# Altium PCB balenaFin_v1_x_x.PcbDoc (part 1 of 7)
Units mm, origin at the board's own origin, x right, y up, seen from the top; angles counter-clockwise.
Board outline 90.03 x 90.03 mm, 8 copper layers (TOP, GND, INT1, INT2, INT3, INT4, POWER, BOTTOM), stack 1.496 mm thick; 502 components, 409 nets, 2324 pads, 1048 vias.
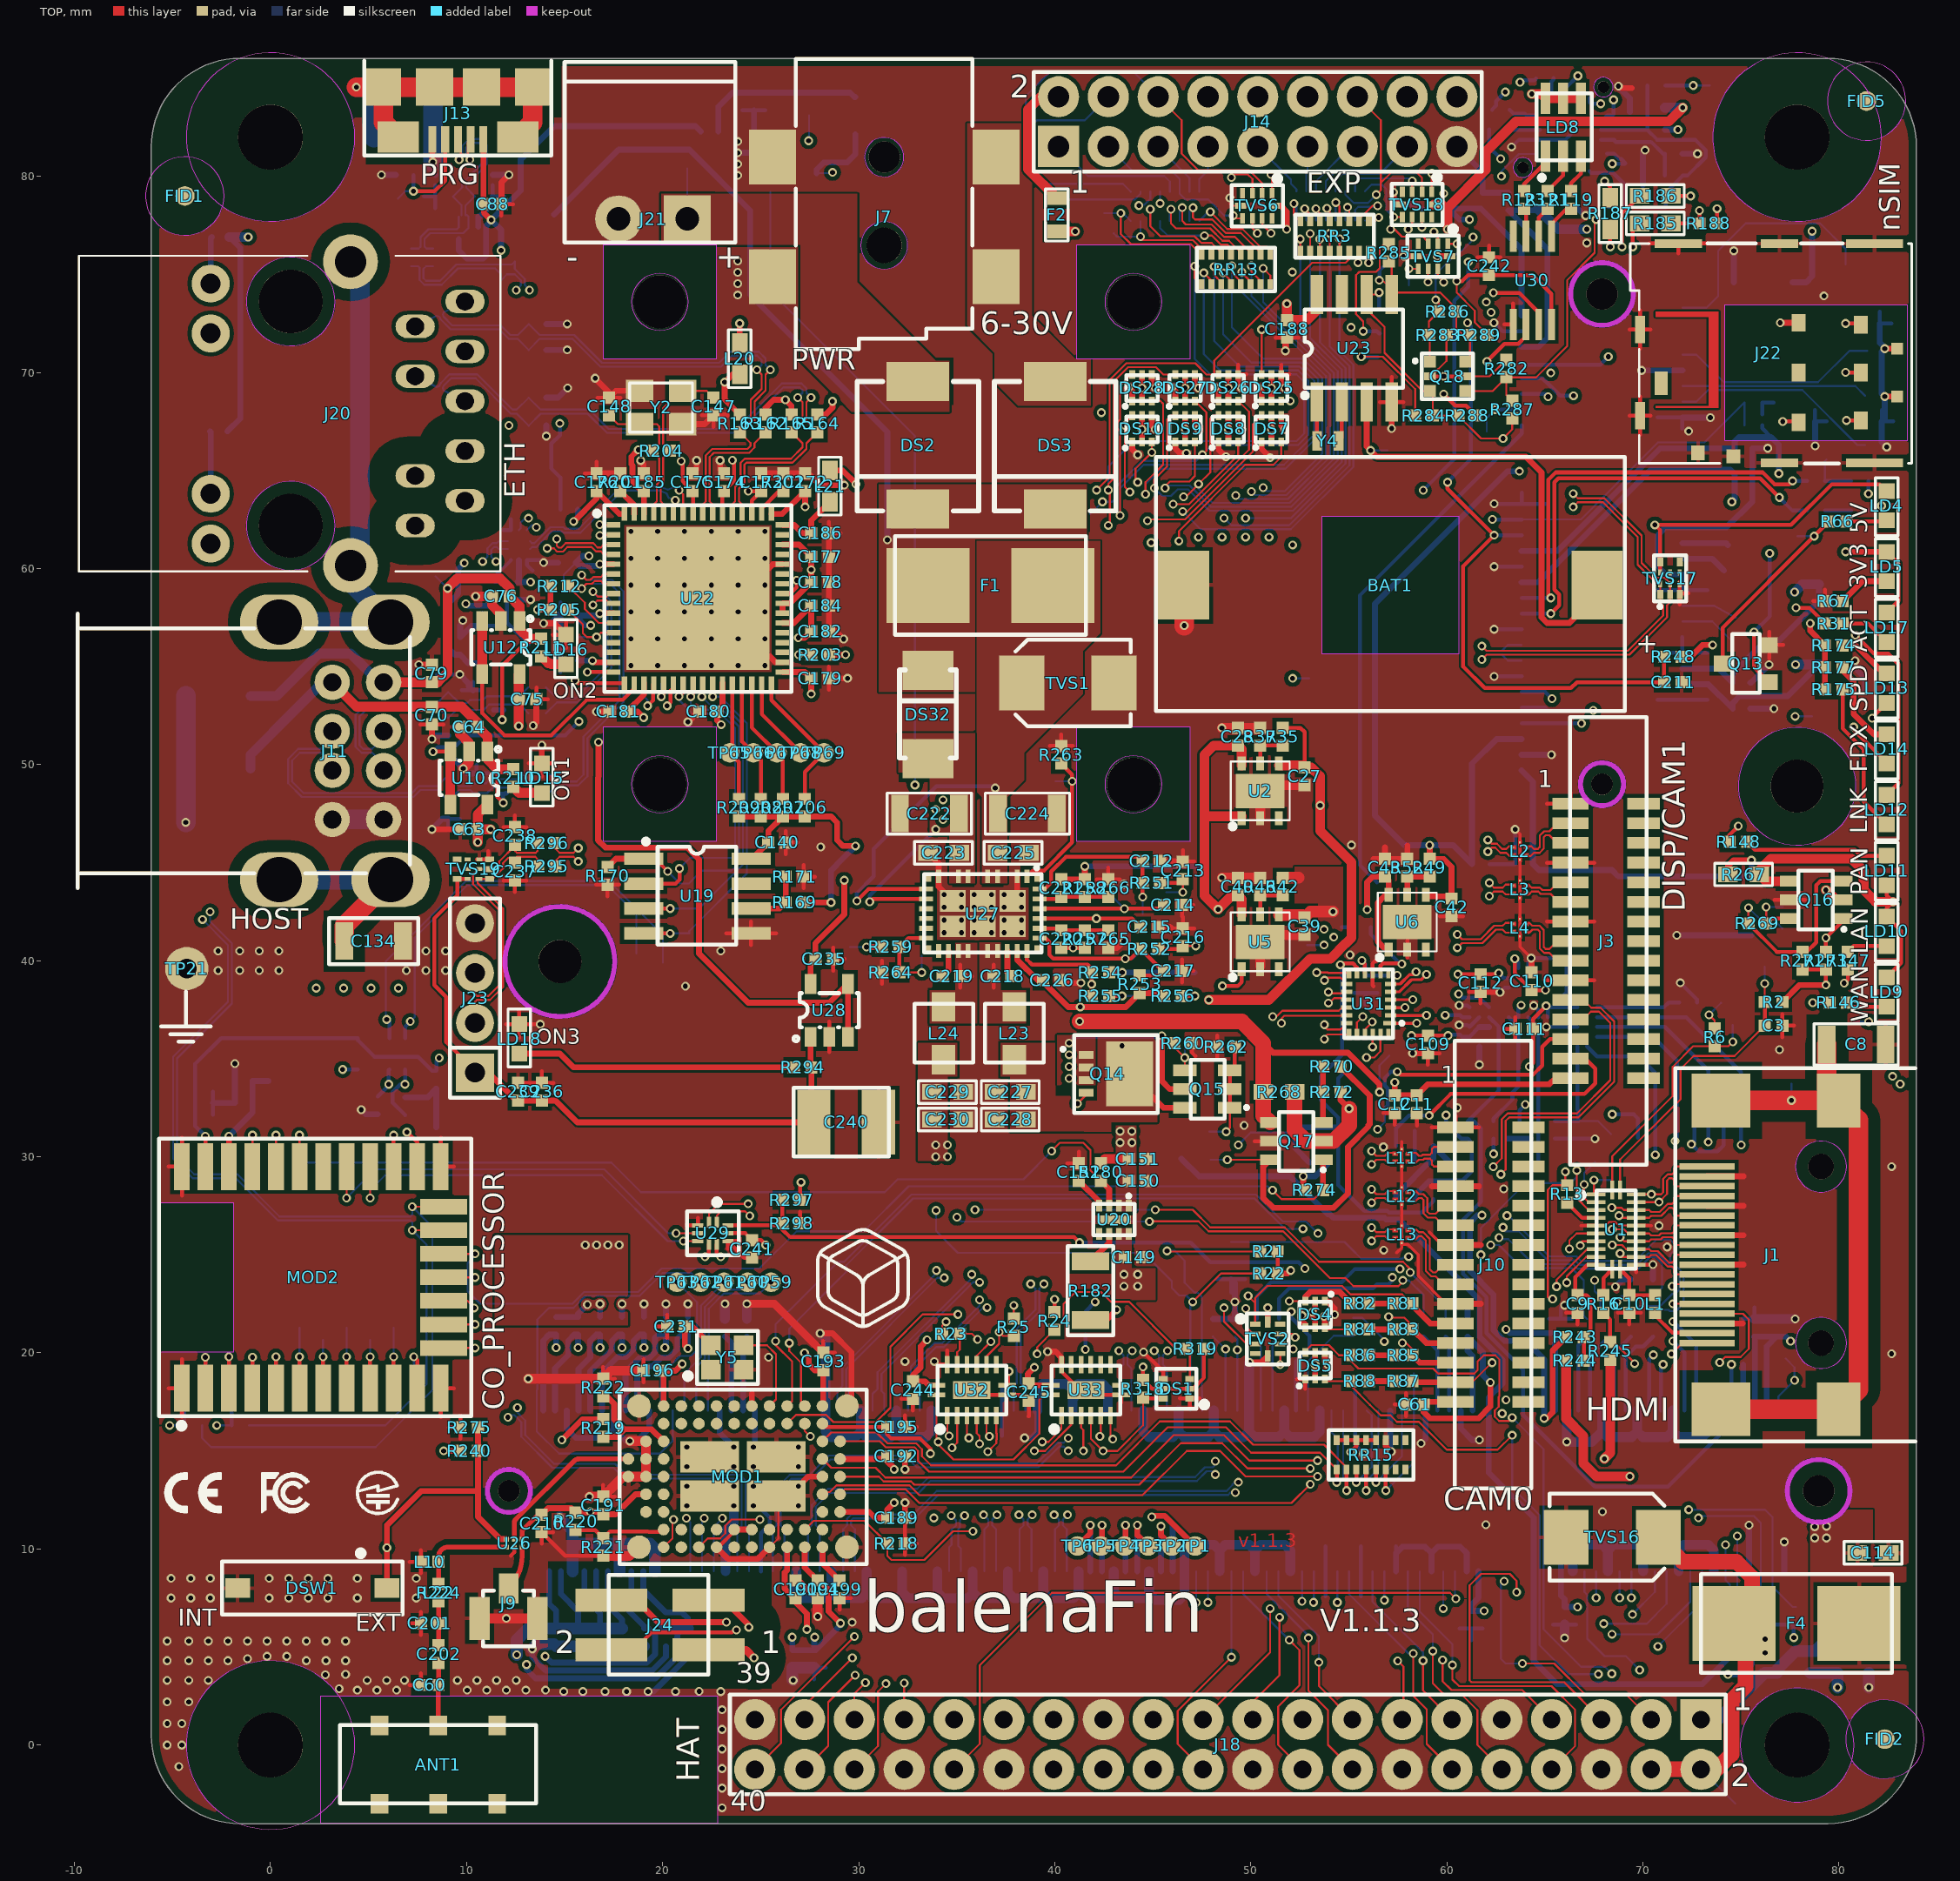
[diagram p0: TOP view]
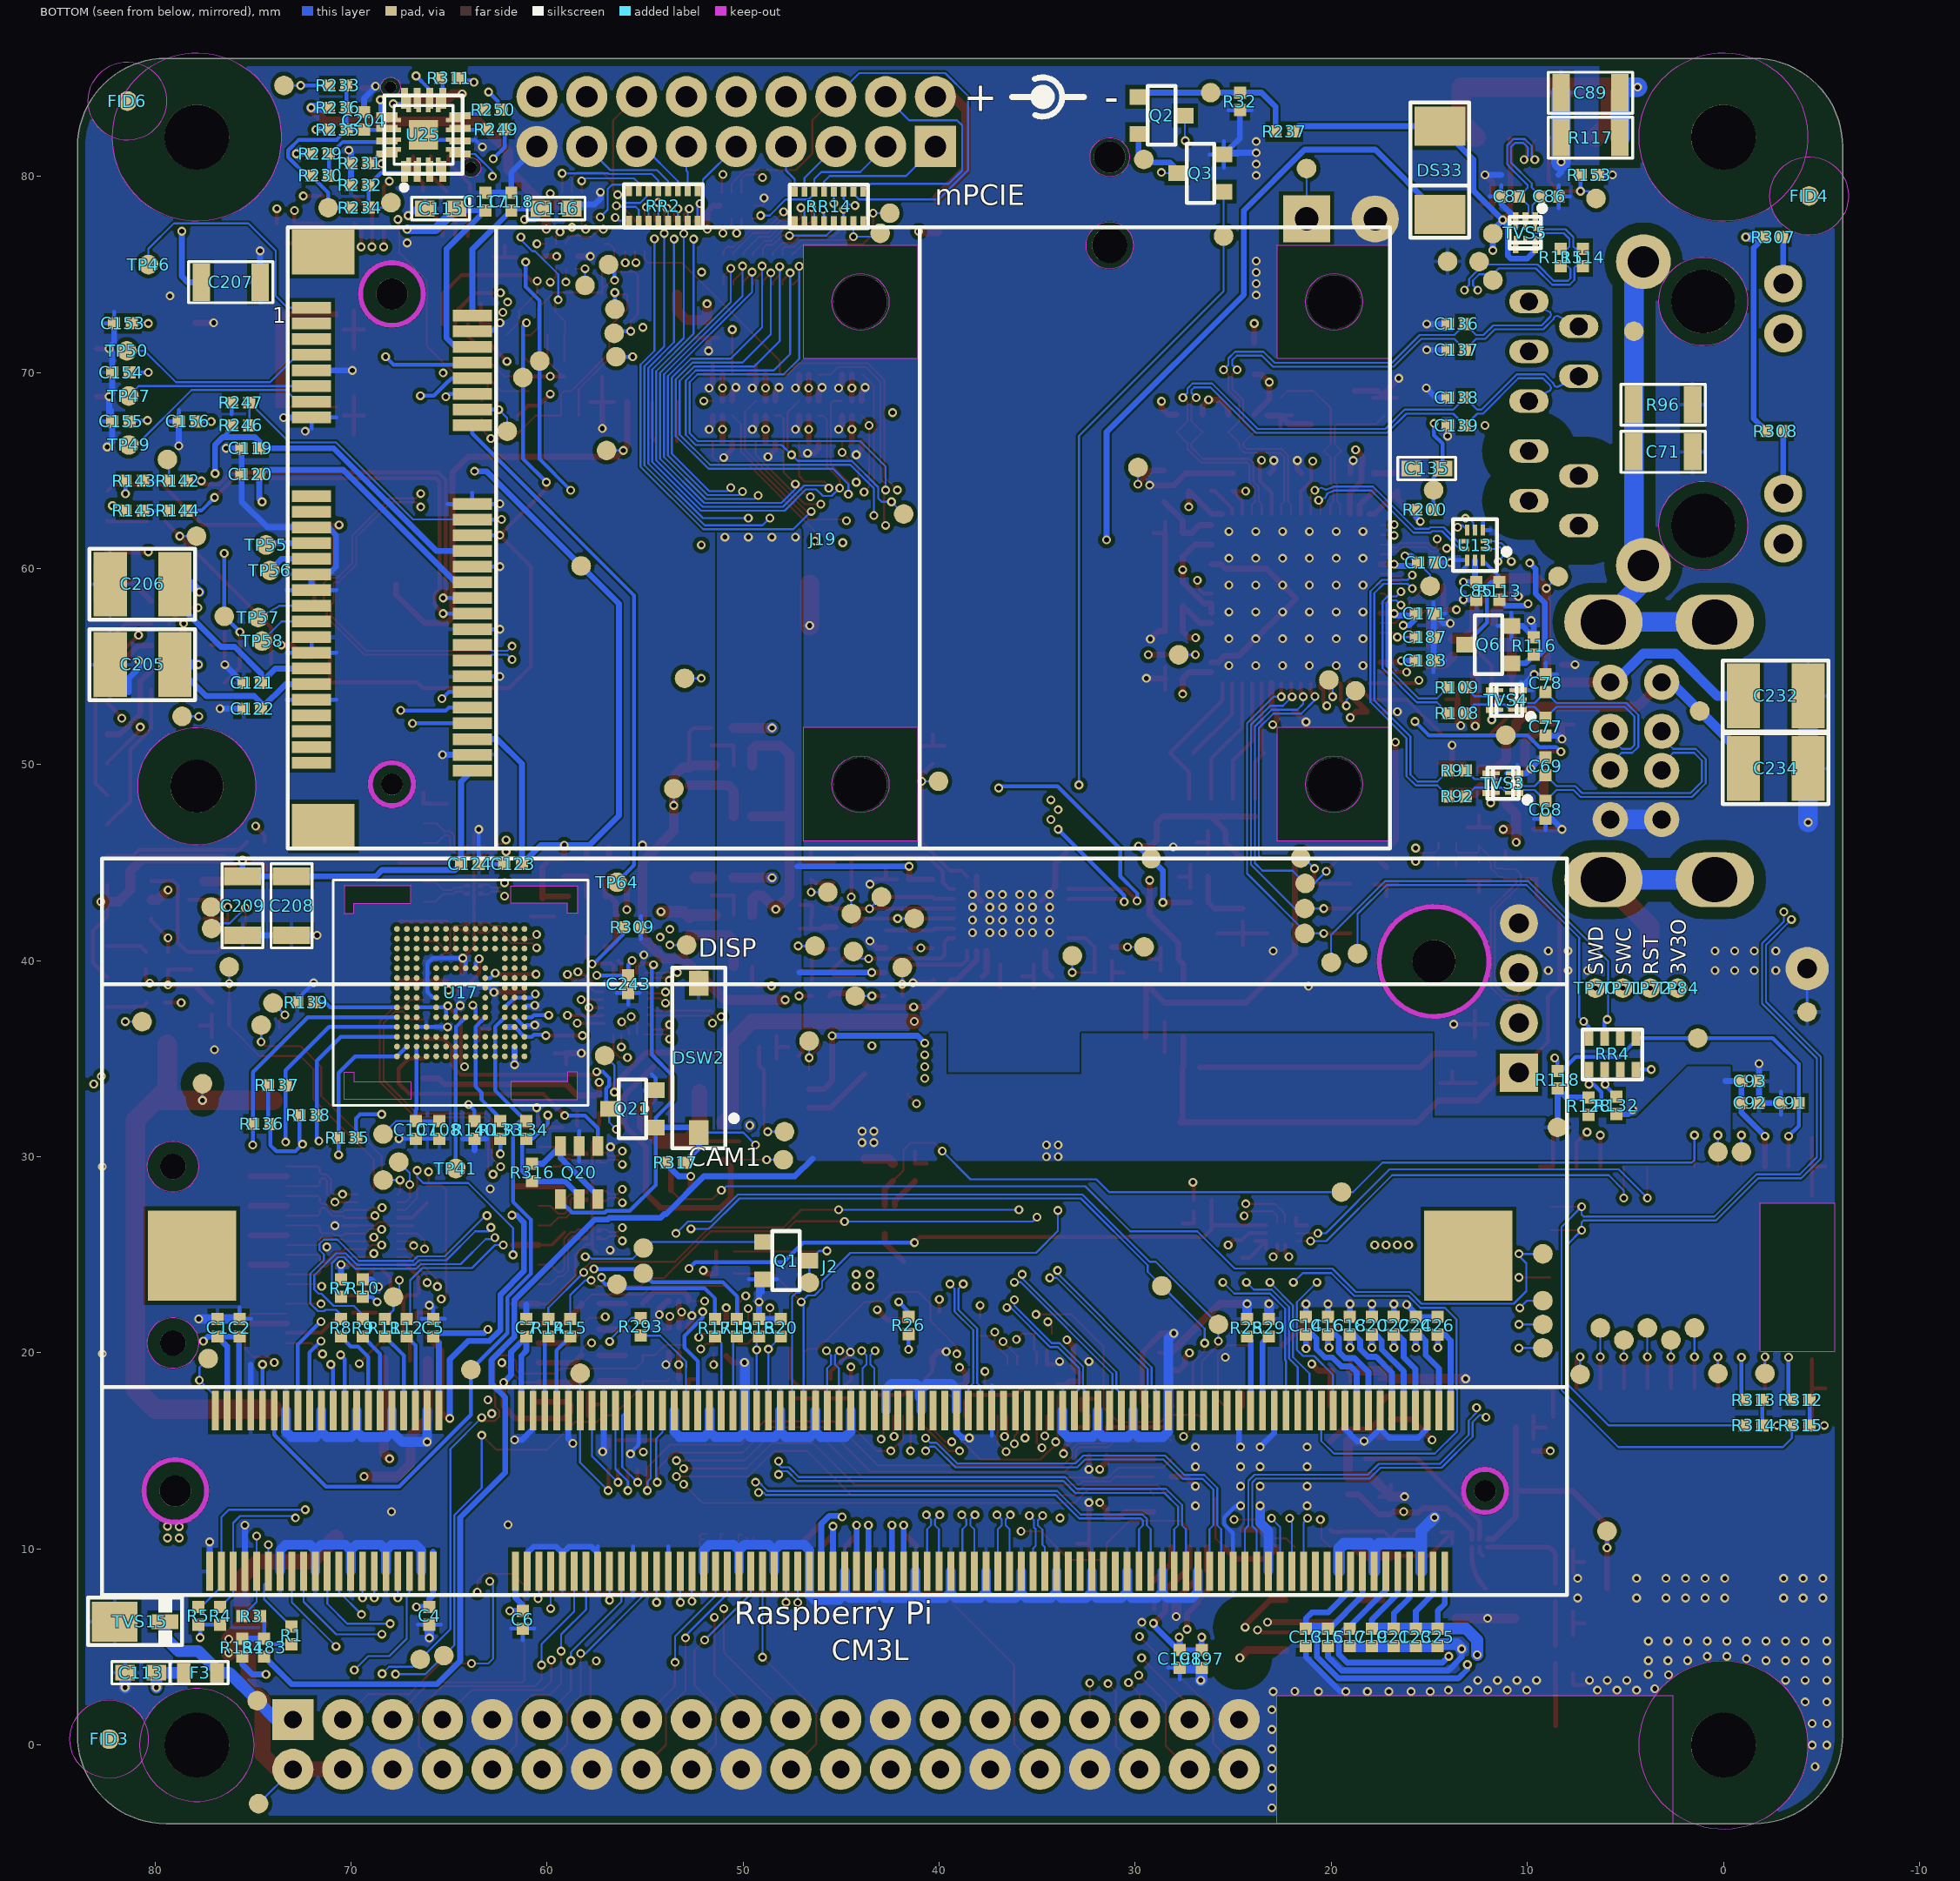
[diagram p1: BOTTOM view, seen from below]
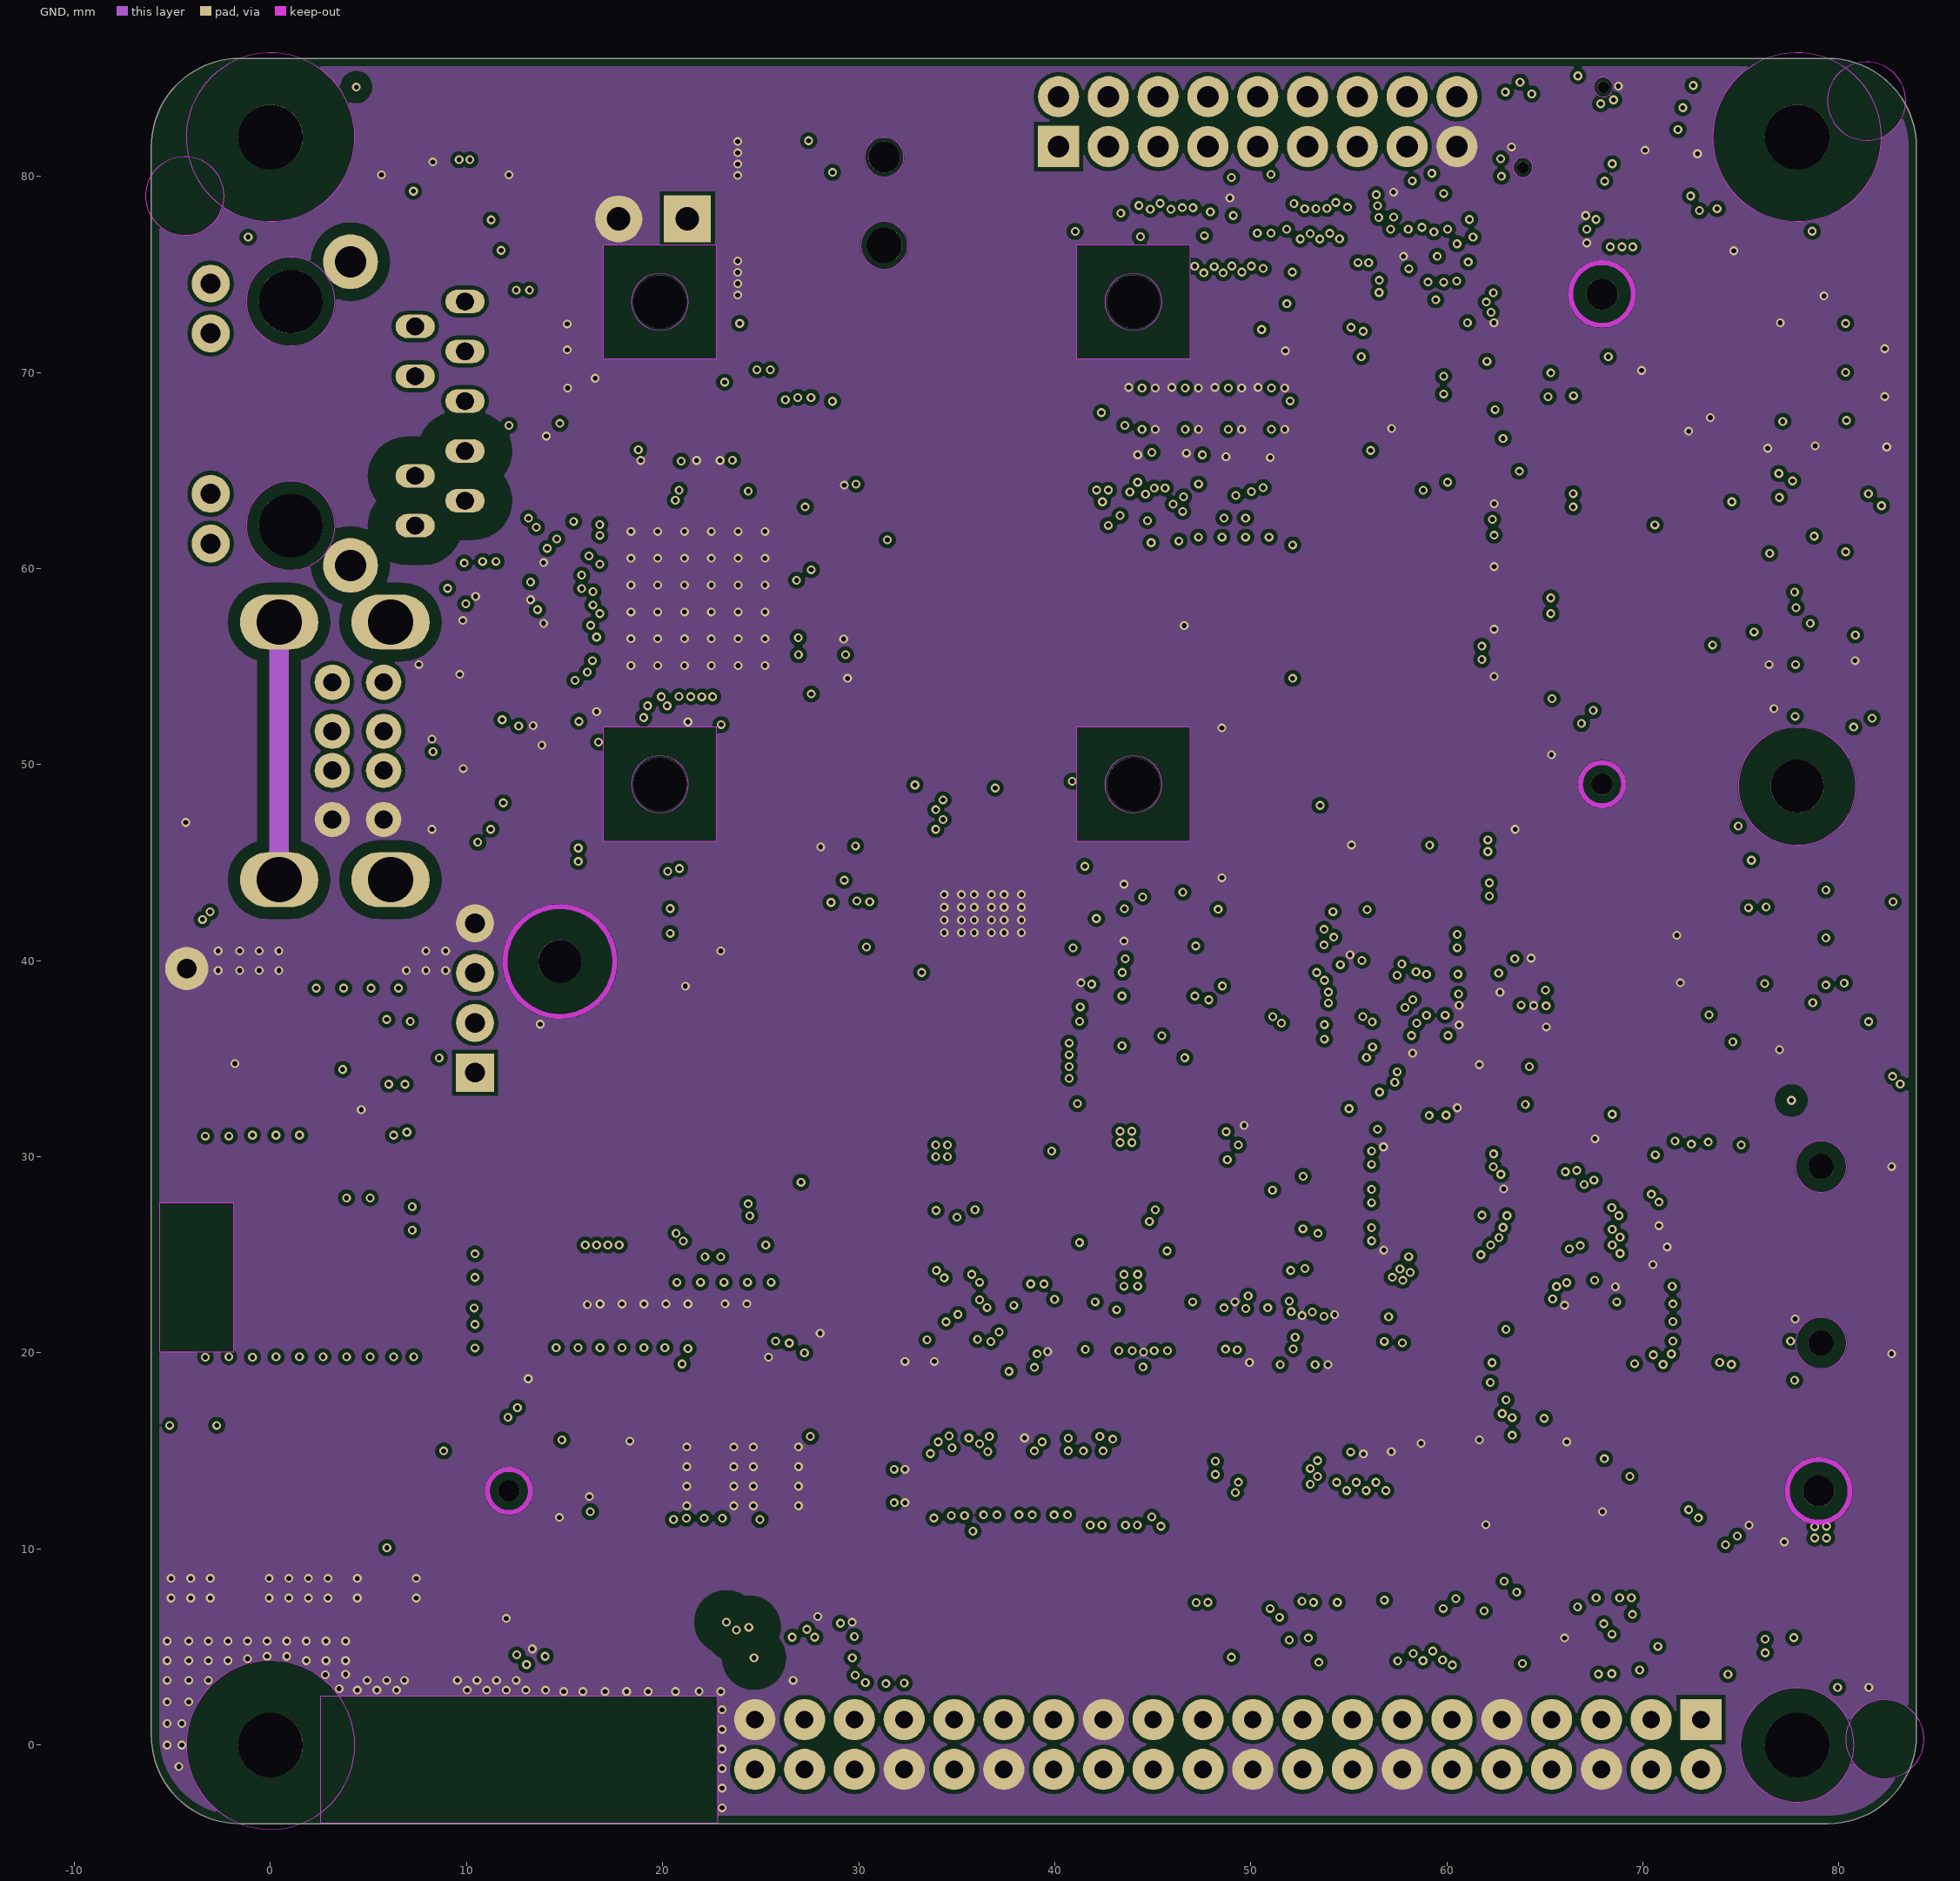
[diagram p2: GND]
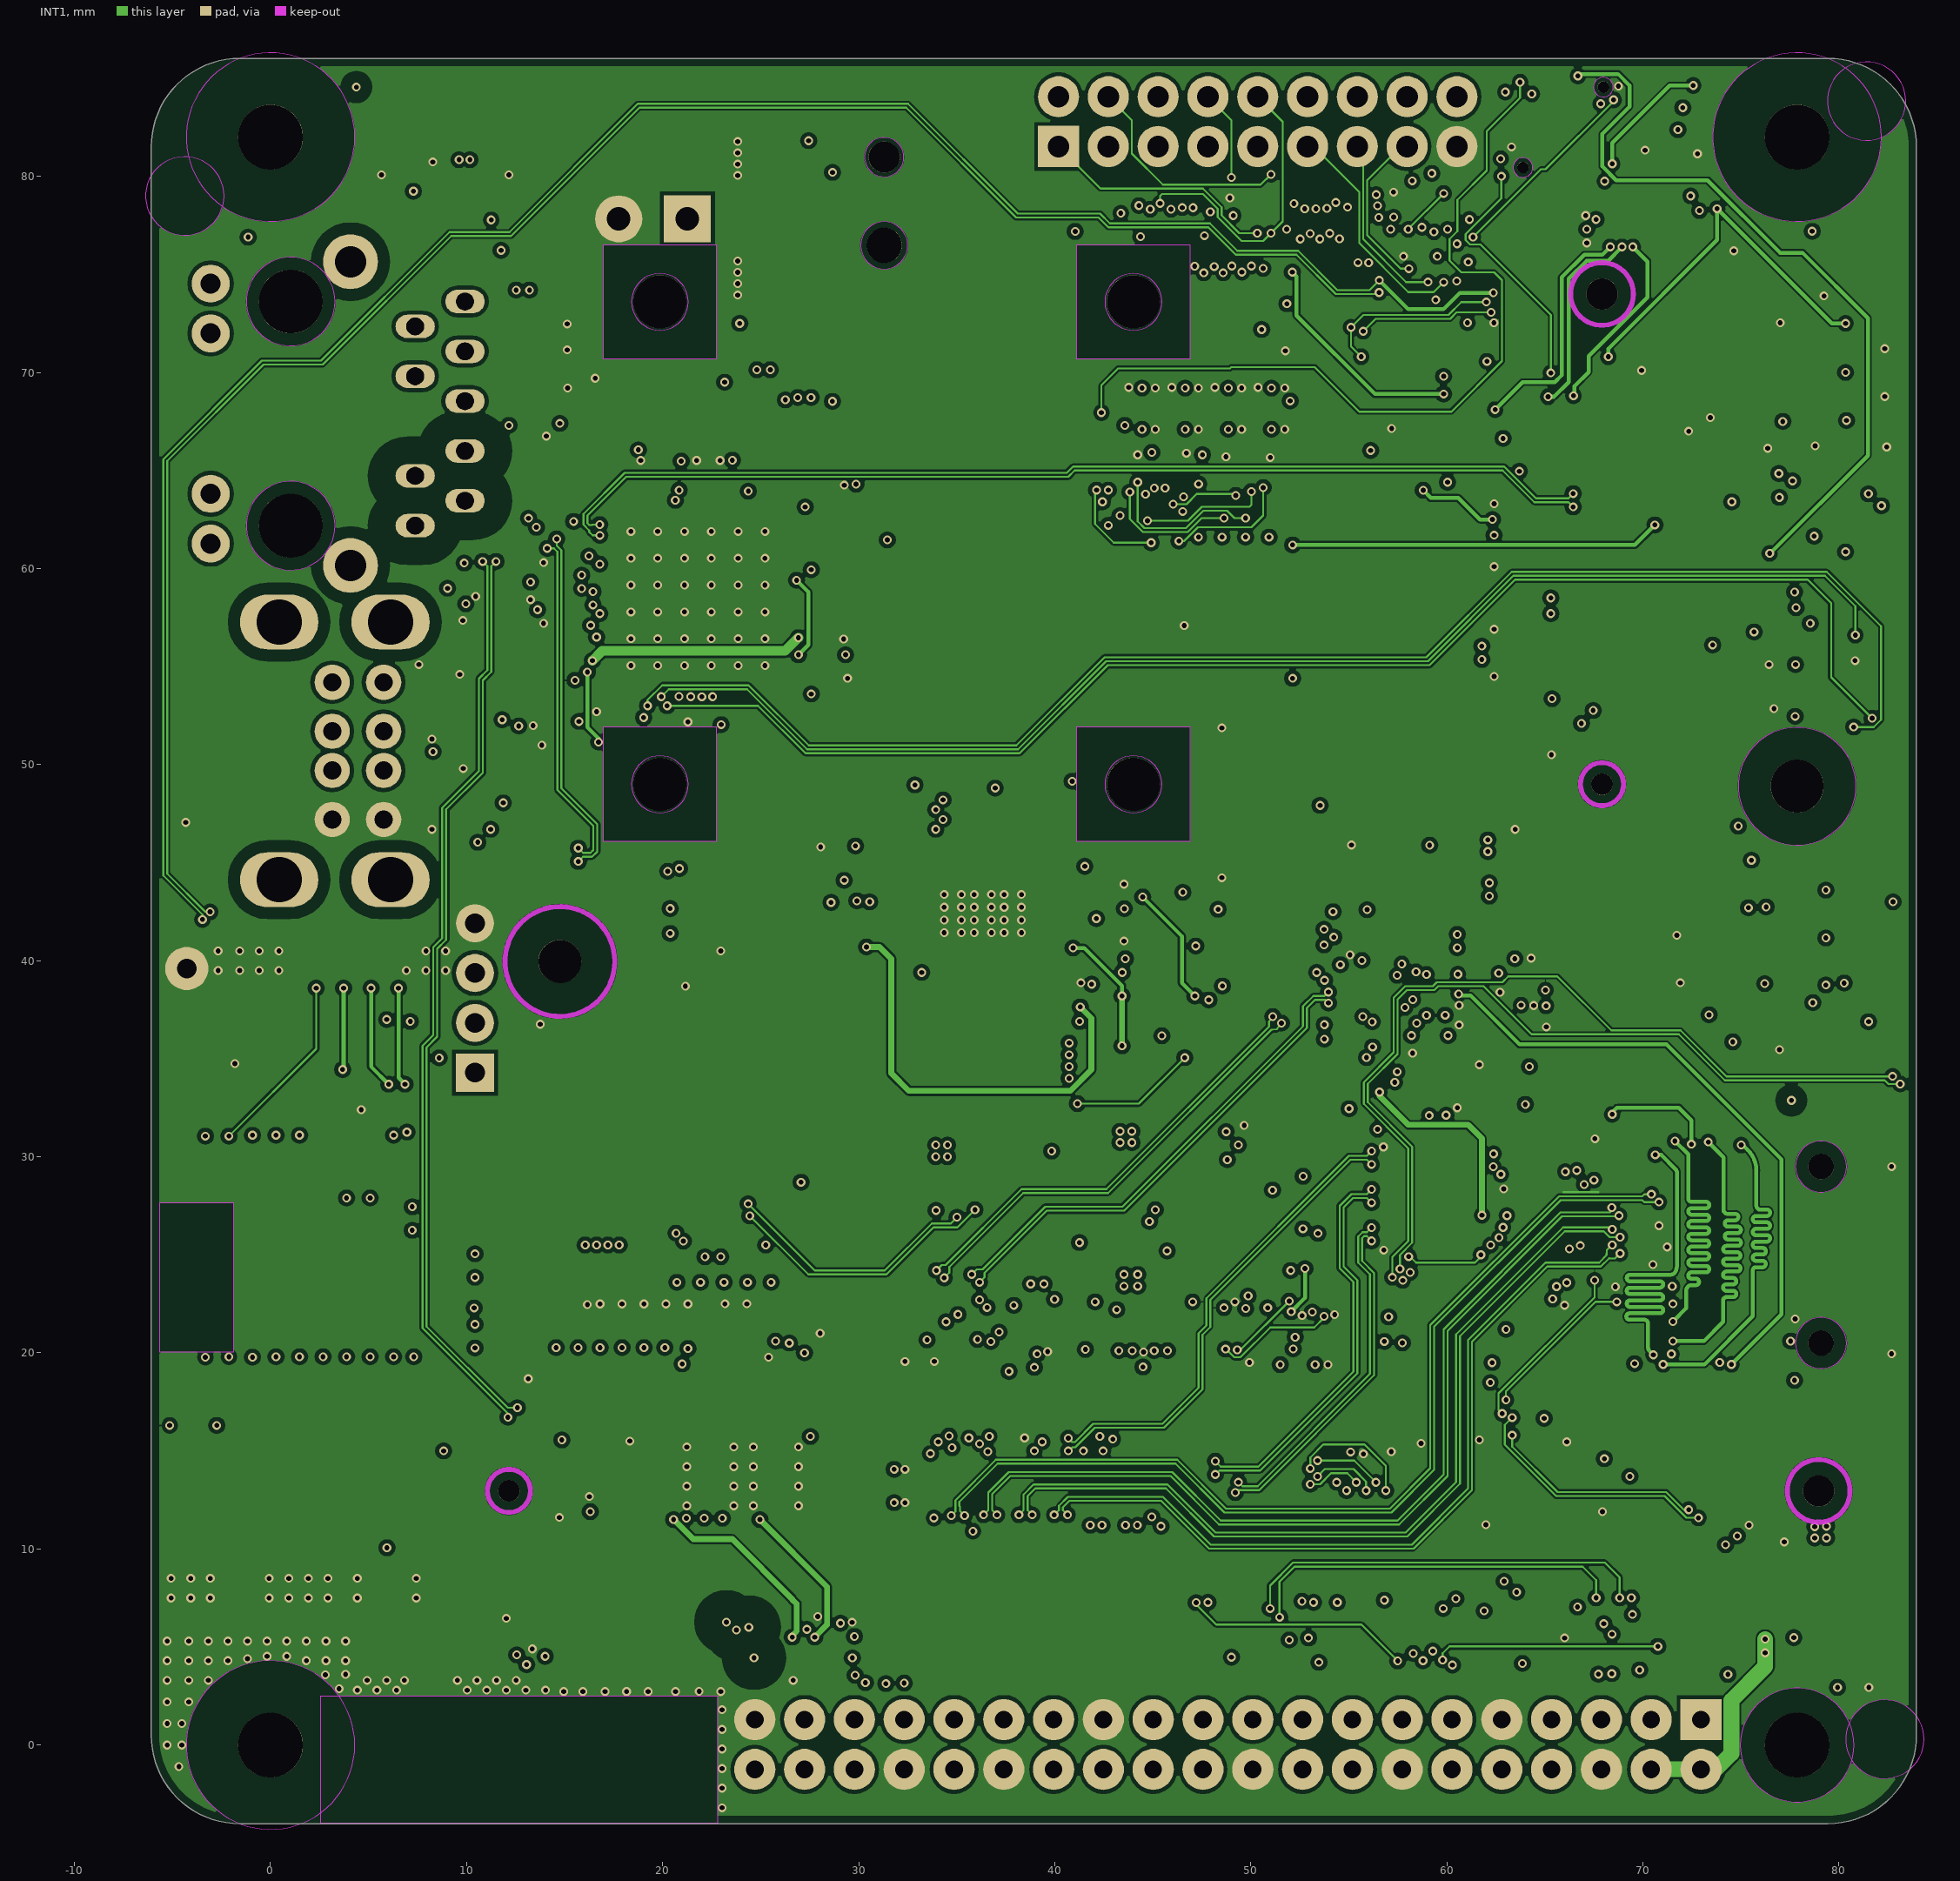
[diagram p3: INT1]